# Altium PCB ST-Link-V2.2-Mini.PcbDoc
Units mil, origin at the board's own origin, x right, y up, seen from the top; angles counter-clockwise.
Board outline 1181.1 x 590.55 mil, 2 copper layers (Top Layer, Bottom Layer); 42 components, 43 nets, 146 pads, 35 vias.
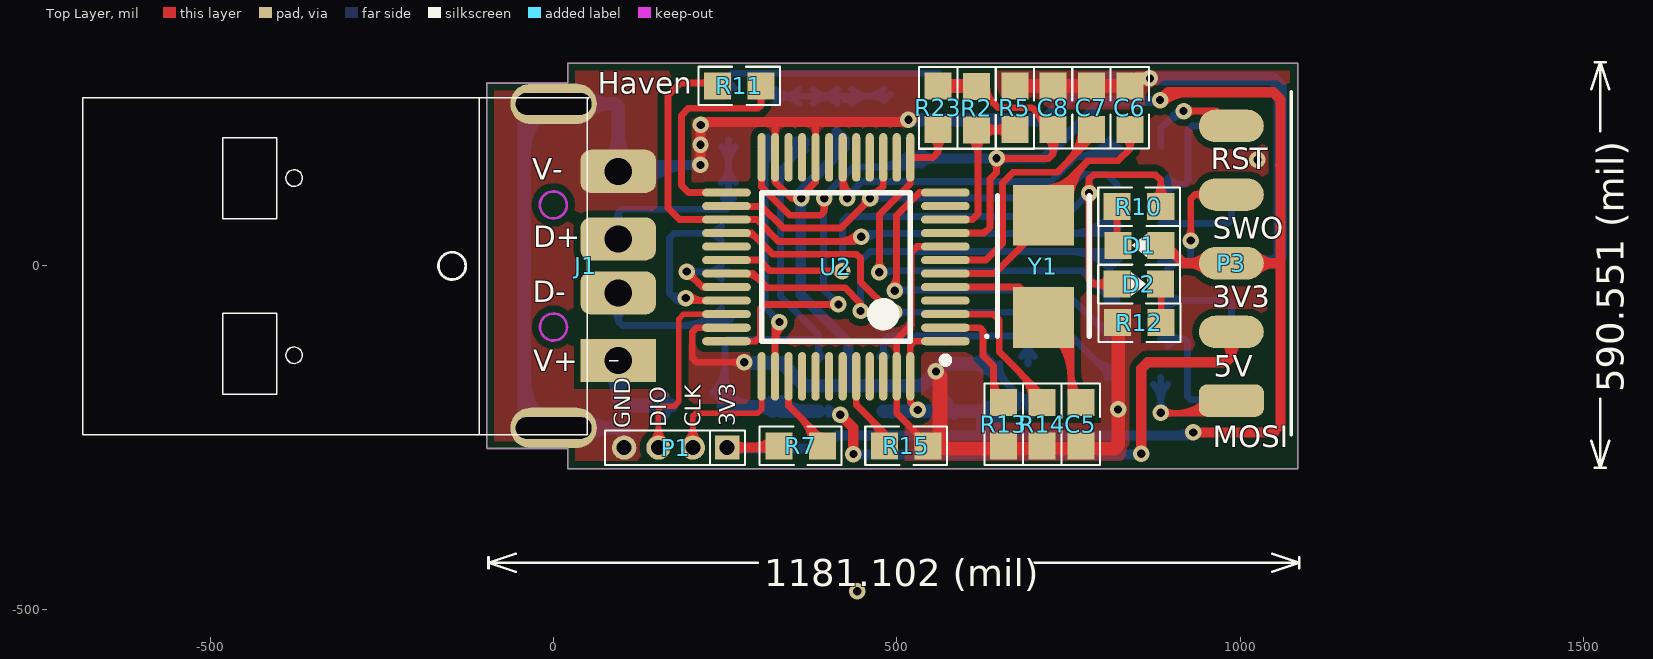
[diagram p0: Top Layer view]
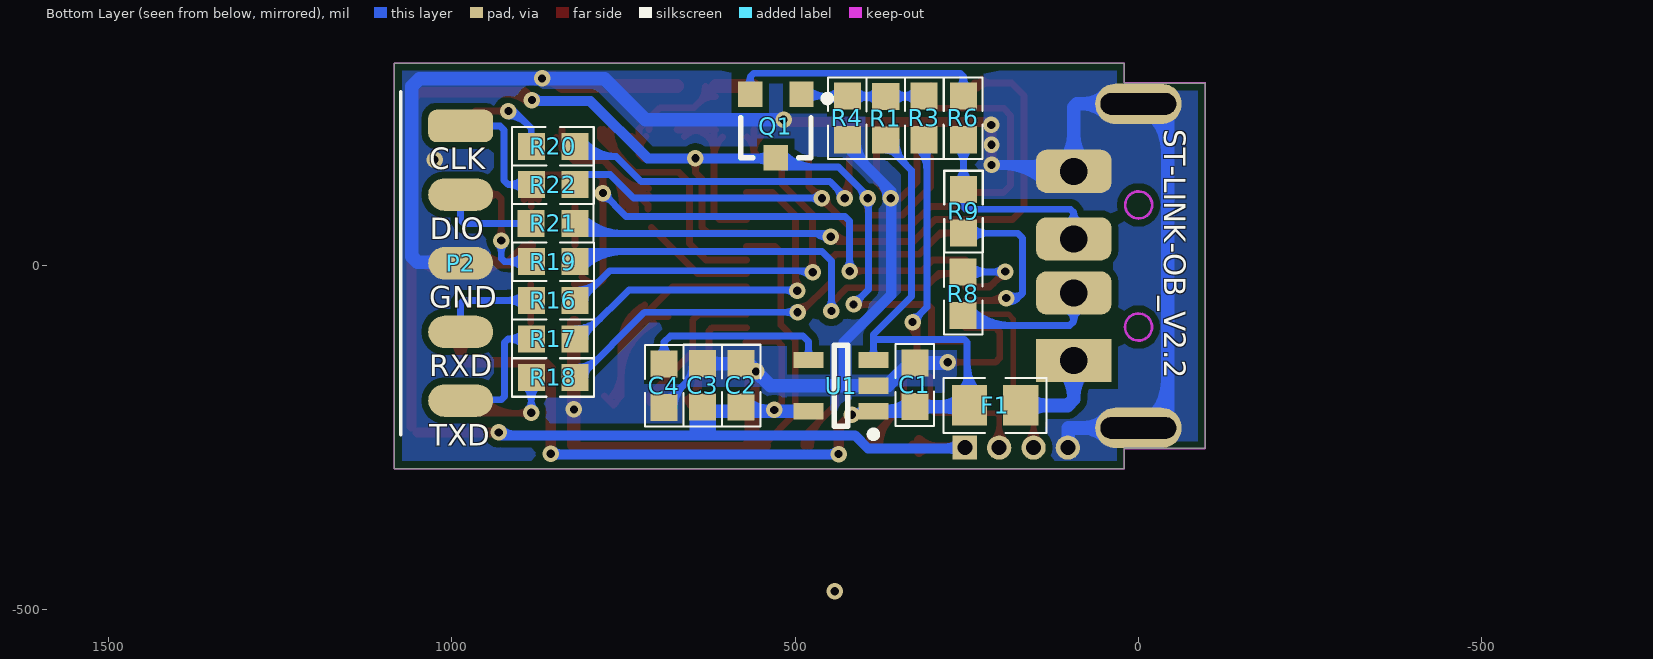
[diagram p1: Bottom Layer view, seen from below]

## Layer stack, top to bottom
Top Layer: signal copper 1.4
Dielectric: dielectric 12.6, FR-4, Dk 4.8
Bottom Layer: signal copper 1.4

## Board outline
-97.53,-246.18 -97.53,265.75 20.59,265.75 20.59,295.28 1083.58,295.28 1083.58,-295.27 20.59,-295.27 20.59,-265.75 -97.53,-265.75

## Design rules (kind name [scope] priority, off if disabled: settings)
Clearance Clearance_GND [InPolygon] p1: gap=10
Clearance [All] p2: gap=7
HoleToHoleClearance [All] p1 off: gap=10 allowstackedmicrovias=TRUE
MinimumSolderMaskSliver [All] p1 off: minsoldermaskwidth=10
PlaneConnect [All] p1: planeconnectstyle=Direct reliefexpansion=20 reliefentries=4 reliefconductorwidth=10 reliefairgap=10
PolygonConnect [All] p1: connectstyle=Direct reliefconductorwidth=10 reliefentries=4 polygonreliefangle="90 Angle"
RoutingVias [All] p1: holewidth=12 width=24 viastyle="Through Hole" minholewidth=12 minwidth=24 maxholewidth=12 maxwidth=24
SilkToSilkClearance [All] p1 off: silktosilkclearance=10
SilkscreenOverComponentPads [IsPad] p1 off: minsilkscreentomaskgap=10
SolderMaskExpansion [All] p1: expansion=4
Width [All] p1: maxlimit=20 minlimit=8 preferedwidth=8
23 further rules are at their usual default settings.

## Components (designator, comment, footprint, x,y, rotation, side; value= is the part's Value field where it differs from the comment)
C1 "Cap" C-0603 325.61,-173.55 r270 bottom
C2 "Cap" C-0603 578.55,-174.35 r270 bottom
C3 "Cap" C-0603 634.77,-174.35 r270 bottom
C4 "Cap" C-0603 690.87,-174.41 r90 bottom
C5 "Cap" C-0603 768.06,-230.62 r90 top
C6 "Cap" C-0603 839.44,230.22 r270 top
C7 "Cap" C-0603 783.43,230.23 r270 top
C8 "Cap" C-0603 727.57,230.23 r270 top
D1 "LED_G" SMT_LED_0603 853.36,29.86 r180 top
D2 "LED_R" SMT_LED_0603 852.3,-26.54 r0 top
F1 "Fuse1" 0805-1 208.86,-203.24 r0 bottom
J1 "USB" USB-B 47.13,-0.02 r90 top
P1 "SWD" SIP4-1.27 252.8,-264.59 r0 top
P2 "P-BOTTOM" HEADER_5 987.19,203.82 r270 bottom
P3 "P-TOP" HEADER_5 987.21,-196.11 r90 top locked
Q1 "NPN" SOT23-3 528.04,203.73 r0 bottom
R1 "Res1" 0603-1 367.99,214.72 r90 bottom
R2 "Res2" 0603-1 616.03,229.63 r90 top
R3 "Res1" 0603-1 312,215.72 r270 bottom
R4 "Res1" 0603-1 424,215.72 r270 bottom
R5 "Res2" 0603-1 671.9,230.63 r270 top
R6 "Res1" 0603-1 254.99,215.72 r270 bottom
R7 "Res2" 0603-1 360.08,-262.07 r180 top
R8 "Res2" 0603-1 255.26,-40.78 r90 bottom
R9 "Res2" 0603-1 254.77,79.58 r270 bottom
R10 "Res2" 0603-1 852.34,86.28 r0 top
R11 "Res2" 0603-1 269.95,262.05 r0 top
R12 "Res2" 0603-1 852.83,-82.7 r0 top
R13 "Res1" 0603-1 655.52,-230.15 r270 top
R14 "Res1" 0603-1 711.6,-230.15 r270 top
R15 "Res2" 0603-1 513.94,-262.07 r180 top
R16 "Res2" 0603-1 852.22,-50.22 r0 bottom
R17 "Res2" 0603-1 852.22,-106.38 r0 bottom
R18 "Res2" 0603-1 852.22,-162.53 r0 bottom
R19 "Res2" 0603-1 852.03,6.07 r0 bottom
R20 "Res2" 0603-1 852.26,174.24 r0 bottom
R21 "Res2" 0603-1 852.37,61.85 r0 bottom
R22 "Res2" 0603-1 852.26,118.38 r0 bottom
R23 "Res1" 0603-1 560.16,230.63 r270 top
U1 "SPX3819" SOT23-5 433.15,-174.42 r0 bottom
U2 "STM32F103CBT6" LQFP48_N 411.26,-1.44 r180 top locked
Y1 "8M" "XAL5032 2-Leads" 713.56,-0.33 r90 top

## Footprints (in the part's own frame and the unit in brackets; to place one, negate y for a bottom-side part, rotate by r counter-clockwise, add the part's x,y. Pads: shape width x height; smd on the part's side, far side on the other; paste and mask are expansions set on the pad)
0603-1 [mm]
  rect 1x1 smd: 1(-0.799,0) 2(0.813,0)
  silkscreen extent -1.5,-0.71 1.52,0.71, body extent -0.8,-0.4 0.8,0.4, height 0.3
0805-1 [mm]
  rect 1.3x1.5 smd: 1(-0.95,0) 2(0.95,0)
  silkscreen extent -1.91,-1.02 1.91,1.02, body extent -1,-0.62 1,0.63, height 0.5
C-0603 [mm] "贴?"
  rect 1x1 smd: 1(-0.813,0) 2(0.799,0)
  silkscreen extent -1.51,-0.71 1.51,0.71, body extent -0.8,-0.4 0.8,0.4, height 0.3
HEADER_5 [mm]
  rrect50% 1.2x2.4 smd: 1(0,0)
  oval 1.2x2.4 smd: 2(2.54,0) 3(5.08,0) 4(7.62,0) 5(10.16,0)
  silkscreen extent -1.27,-2.21 11.43,-2.21, body extent -1.27,-10.75 11.43,0.79, height 1.78
LQFP48_N [mm] "Thin QFP, 48-Leads, Body 7x7mm, Pitch 0.5mm, IPC Medium Density"
  oval 1.8x0.3 smd: 1(-4.05,2.75) 2(-4.05,2.25) 3(-4.05,1.75) 4(-4.05,1.25) 5(-4.05,0.75) 6(-4.05,0.25) 7(-4.05,-0.25) 8(-4.05,-0.75) 9(-4.05,-1.25) 10(-4.05,-1.75) 11(-4.05,-2.25) 12(-4.05,-2.75) 25(4.05,-2.75) 26(4.05,-2.25) 27(4.05,-1.75) 28(4.05,-1.25) 29(4.05,-0.75) 30(4.05,-0.25) 31(4.05,0.25) 32(4.05,0.75) 33(4.05,1.25) 34(4.05,1.75) 35(4.05,2.25) 36(4.05,2.75)
  oval 0.3x1.8 smd: 13(-2.75,-4.05) 14(-2.25,-4.05) 15(-1.75,-4.05) 16(-1.25,-4.05) 17(-0.75,-4.05) 18(-0.25,-4.05) 19(0.25,-4.05) 20(0.75,-4.05) 21(1.25,-4.05) 22(1.75,-4.05) 23(2.25,-4.05) 24(2.75,-4.05) 37(2.75,4.05) 38(2.25,4.05) 39(1.75,4.05) 40(1.25,4.05) 41(0.75,4.05) 42(0.25,4.05) 43(-0.25,4.05) 44(-0.75,4.05) 45(-1.25,4.05) 46(-1.75,4.05) 47(-2.25,4.05) 48(-2.75,4.05)
  silkscreen extent -4.18,-2.75 2.75,3.57, body extent -4.53,-4.47 4.47,4.53, height 1.45
SIP4-1.27 [mm]
  rect 0.9x0.9 hole 0.55: 1(0,0)
  round 0.9 hole 0.55: 2(-1.27,0) 3(-2.54,0) 4(-3.81,0)
  silkscreen extent -4.52,-0.64 0.66,0.64
SMT_LED_0603 [mm]
  rect 1x1 smd: 1(-0.8,0) 2(0.8,0)
  silkscreen extent -1.5,-0.71 1.52,0.71, body extent -0.81,-0.4 0.81,0.4, height 0.6
SOT23-3 [mm]
  rect 0.9x0.95 smd: 1(-0.95,-1.175) 2(0.95,-1.175) 3(0,1.175)
  silkscreen extent -2.03,-1.14 1.3,1.18, body extent -1.45,-1.4 1.45,1.4, height 1.2
SOT23-5 [mm] "Max4173"
  rect 1.1x0.6 smd: 1(-1.2,0.95) 2(-1.2,0) 3(-1.2,-0.95) 4(1.2,-0.95) 5(1.2,0.95)
  silkscreen extent -1.32,-1.5 0.25,1.92, body extent -1.4,-1.45 1.4,1.45, height 1.2
USB-B [mm]
  rect 1.6x2.8 hole 1: 1(-3.5,-1.195)
  rrect50% 1.6x2.8 hole 1: 2(-1,-1.195) 3(1,-1.195) 4(3.5,-1.195)
  oval 1.5x3.2 hole 0.8 slot 2.8 at 90 deg: 5(5.994,1.195) 6(-5.994,1.195)
  silkscreen extent -6.25,-1.2 6.25,18.62, body extent -6.25,-1.43 6.25,18.6, height 4.52
"XAL5032 2-Leads" [mm] "DFN, 2-Leads, Body 3.20x5.00mm, Pitch 3.70mm, IPC Low Density"
  rect 2.25x2.25 smd: 1(-1.905,0) 2(1.88,0)
  silkscreen extent -2.65,-1.7 2.6,2.15, body extent -2.5,-1.6 2.5,1.6, height 1

## Part data
C1 C2 C3 C4 C8: "Capacitor"
D1 D2: library part LED2, "Typical RED, GREEN, YELLOW, AMBER GaAs LED"
F1: "保险"
J1: "USB½Ó¿"
P1: library part "Header 4", "Header, 4-Pin"
P2 P3: library part "Header 5", "Header, 5-Pin"
Q1: library part NPN1, "贴片三"
R1 R3 R4 R6 R13 R14: "ÌùÆ¬µ"
R2 R5 R7 R8 R9 R10 R11 R12 R15 R16 R17 R18 R19 R20 R21 R22: "Resistor"
R23: "贴片电阻"
U2: library part STM32F103C8T6, "STM32 ARM-based 32-bit MCU with 64 Kbytes Flash, 48-pin LQFP, Industrial Temperature"
Y1: library part XTAL, "Crystal Oscillator"

## Via types
v1: diameter 24, hole 12, Top Layer to Bottom Layer, 33 vias
v2: diameter 24.02, hole 12.01, Top Layer to Bottom Layer, 2 vias

## Nets (pads, with @x,y where several pads share a name; then routed paths per layer and width w, separated by ;. In a path a pad name is that pad's centre, name@x,y a point inside that pad or via, vN(x,y) a via of type N, cw(c..) or ccw(c..) an arc to the next point about the centre after c; other vN are vias at no path point)
3.3V: C2.2 C3.2 C8.2 D1.1 P1.1 P3.3 Q1.3 R2.2 R7.2 R23.1 U1.5 U2.1 U2.9 U2.24 U2.36 U2.48 | length 4830.2
  Top Layer w10: U2.36@252.06,-109.95 U2.36 294.12,-109.71 301.24,-102.59 301.24,-61.68 306.85,-56.08 v1(414.8,-56.08) ; U2.24 303,114.97 344.28,73.68 388.48,73.68 394.13,79.33 v1(394.13,98.68) ; v1@389.18,93.73 cw(c377.23,81.78) 394.13,81.78 cw(c411.03,81.78) v1@399.08,93.73 ; v1@409.85,-61.03 ccw(c397.9,-72.98) 397.9,-56.08 ccw(c397.9,-39.18) v1@409.85,-51.13 ; v1(530.54,-209.8) 519.53,-198.8 519.53,-115.8 525.62,-109.71 U2.1 U2.1@571.72,-110.72 ; R23.1 R23.1@560.63,261.63 ; U2.9 626.94,47.77 635.42,56.26 635.42,126.47 645.18,136.23 v1(645.18,156.78) 645.67,156.28 720.75,156.28 727.56,163.1 C8.2 727.56,199.31 696.46,230.41 647.24,230.41 R2.2 ; R2.2@616.03,246.94 cw(c616.03,211.49) 641.09,236.56 cw(c666.17,261.63) R2.2@630.71,261.63 ; v1@640.23,151.83 cw(c628.28,139.88) 645.18,139.88 cw(c662.08,139.88) v1@650.13,151.83 ; 702.11,224.76 cw(c676.12,198.77) C8.2@712.88,198.77 ; 703.42,223.45 ccw(c727.56,247.6) C8.2@727.56,213.45 ; C8.2@717.18,188.38 cw(c692.11,163.31) 727.56,163.31 cw(c763.02,163.31) C8.2@737.95,188.38 ; v1@930.45,-241.56 930.66,-241.56 v1(931.69,-242.59) ; v1@650.13,151.83 cw(c660.89,141.07) 660.89,156.28 ccw(c660.89,141.07) v1@650.13,151.83 ; v1@650.13,161.72 ccw(c663.27,174.86) 663.27,156.28 cw(c663.27,174.86) v1@650.13,161.72
  Top Layer w15: P1.1 325.57,-264.59 R7.2 ; P1.1@260.02,-271.81 cw(c277.46,-289.25) 277.46,-264.59 cw(c277.46,-239.92) P1.1@260.02,-257.36 ; 292.59,-264.59 ccw(c292.59,-226.59) R7.2@319.46,-253.46 ; 304.73,-264.59 cw(c304.73,-285.42) R7.2@319.46,-270.69 ; v1(883.35,241.47) 894.75,252.87 1048.27,252.87 1058.64,242.5 1058.64,146.61 ; D1.1@884.63,29.84 888,26.46 894.93,26.46 917.5,3.89 P3.3 ; v1@886.53,238.29 cw(c921.73,203.1) 921.73,252.87 ; v1(931.69,-242.59) 1049.98,-242.59 ; P3.3@952.19,-7.51 ccw(c924.67,-35.03) 924.67,3.89 ccw(c924.67,42.82) P3.3@952.19,15.29 ; P3.3@980.2,-3.12 P3.3 ; P3.3@1022.24,-7.51 cw(c1049.76,-35.03) 1049.76,3.89 cw(c1049.76,42.82) P3.3@1022.24,15.29 ; 1058.47,146.78 1058.64,146.61 ; 1058.64,-233.93 1058.64,0.95 ; P3.3 1055.7,3.89 1058.64,0.95 ; 1058.64,0.95 1058.64,146.61
  Top Layer w20: R23.1 615.56,262.1 R2.2
  Bottom Layer w10: v1@389.18,93.73 cw(c379.54,84.1) 393.17,84.1 ; 393.17,79.46 cw(c413.34,79.46) v1@399.08,93.73 ; v1@394.13,105.68 ccw(c394.13,116.2) 401.57,108.76 ; v1@401.13,98.68 cw(c424.4,98.68) 407.94,115.14 ; v1@407.8,-56.08 ccw(c390.9,-56.08) 402.85,-44.13 ccw(c414.8,-32.18) v1@414.8,-49.08 ; v1(414.8,-56.08) 393.17,-34.44 393.17,92.75 394.13,93.71 v1(394.13,98.68) 394.13,101.32 436.72,143.92 514.49,143.92 Q1.3 ; 467,143.92 ccw(c467,217.52) Q1.3@519.05,165.48 ; 491.15,143.92 ccw(c491.15,193.38) Q1.3@526.12,158.41 ; Q1.3@515.29,143.92 ccw(c515.29,169.24) Q1.3@533.19,151.33 ; v1@524.75,-215.59 v1(530.54,-209.8) v1@529.18,-211.16
  Bottom Layer w15: P1.1@255.73,-268.74 258.57,-265.9 393.82,-265.9 412.82,-246.9 622.71,-246.9 ; P1.1@260.02,-271.81 cw(c274.3,-286.09) 274.3,-265.9 ; P1.1@260.02,-257.36 ccw(c280.63,-236.76) 280.63,-265.9 ; U1.5 481.06,-211.16 v1@529.18,-211.16 ; U1.5@493.29,-214.88 cw(c502.25,-223.84) 502.25,-211.16 ; Q1.3 529.02,156.5 714.76,156.5 798.35,240.08 881.95,240.08 v1(883.35,241.47) ; Q1.3@535.27,149.26 cw(c552.74,131.79) 552.74,156.5 ; Q1.3@535.27,163.71 ccw(c552.68,181.12) 552.68,156.5 ; C2.2@568.77,-215.59 572.54,-211.83 C2.2@573.2,-211.16 ; C2.2 C2.2@573.2,-211.16 ; C2.2@583.82,-217.22 578.43,-211.83 577.77,-211.16 C2.2@573.2,-211.16 ; C3.2@622.71,-222.14 cw(c644.57,-222.14) C3.2@633.33,-203.4 ; C3.2@636.24,-203.41 cw(c624.99,-221.89) C3.2@646.62,-221.89 ; C3.2@639.82,-217.22 630.08,-217.22 C3.2@623.37,-217.22 ; 869.12,240.08 ccw(c869.12,255.71) v1@880.17,244.66 ; 910.44,-246.9 ccw(c910.44,-221.34) v1@928.51,-239.41 ; v1@929.09,-244.68 926.87,-246.9 646.62,-246.9 ; 622.71,-246.9 646.62,-246.9 ; 622.71,-246.9 622.71,-217.88 C3.2@623.37,-217.22 ; C3.2@623.37,-217.22 628.76,-211.83 C3.2 646.62,-217.66 646.62,-246.9
  Bottom Layer w20: U1.5 572.54,-211.83 578.43,-211.83 C3.2@628.76,-211.83 ; v1@540.65,-211.83 ccw(c540.65,-167.92) C2.2@571.7,-198.97 ; C3.2@627.92,-212.66 cw(c611.39,-229.2) 634.77,-229.2 cw(c658.15,-229.2) C3.2@641.62,-212.66 ; C3.2 634.77,-238.65 635.06,-238.93
5V: C1.2 F1.2 P3.2 R1.1 U1.1 U1.3 | length 2004.8
  Top Layer w15: v1(417.44,-216.67) 436.67,-235.9 v1(436.67,-274.1) ; v1(855.8,-273.61) 856.06,-273.35 856.06,-149.9 865.44,-140.51 978.8,-140.51 987.21,-132.11 ; P3.2@976.48,-108.13 cw(c955.09,-132.1) 987.21,-132.1 ; P3.2 987.21,-132.11 ; P3.2@997.95,-108.13 ccw(c1019.34,-132.1) 987.21,-132.1
  Bottom Layer w10: F1.2@231.7,-184.74 ccw(c188.5,-141.54) 249.6,-141.54 ; F1.2@238.77,-191.81 ccw(c212.64,-165.68) 249.6,-165.68 ; 249.6,-157.64 ccw(c287.92,-157.64) F1.2@260.82,-184.74 ; F1.2@255.81,-210.02 249.6,-203.81 249.6,-111.16 253.4,-107.36 385.91,-107.36 ; 338.25,146.91 ccw(c301.9,183.26) R1.1@353.3,183.26 ; 354.2,162.86 cw(c367.99,149.07) R1.1@367.99,168.57 ; R1.1@355.32,163.98 ccw(c336.04,183.26) R1.1@363.3,183.26 ; R1.1 367.99,176.65 330.6,139.26 330.6,-44.71 385.91,-100.02 385.91,-107.36 ; U1.3@381.09,-132.21 ccw(c369.47,-120.58) 385.91,-120.58 ccw(c402.35,-120.58) U1.3@390.73,-132.21 ; U1.1 412.6,-211.83 v1(417.44,-216.67) ; U1.3 385.91,-107.36 ; U1.1@400.57,-216.64 cw(c412.2,-228.27) 412.2,-211.83 cw(c412.2,-195.38) U1.1@400.57,-207.01
  Bottom Layer w15: v1@438.56,-274.66 v1@855.8,-274.66 ; v1@439.85,-270.92 ccw(c448.88,-261.89) 448.88,-274.66 ; 842.4,-274.66 ccw(c842.4,-260.21) v1@852.62,-270.43
  Bottom Layer w20: F1.2@247.02,-203.15 F1.2@260.22,-205.61 ; F1.2@255.81,-210.02 F1.2@260.22,-205.61 ; F1.2@257.29,-214.26 cw(c279.6,-236.57) 279.6,-205.02 ; F1.2@257.29,-192.21 ccw(c288.2,-161.29) 288.2,-205.02 ; C1.2@318.76,-211.87 ccw(c302.23,-228.4) 302.23,-205.02 ccw(c302.23,-181.64) C1.2@318.76,-198.17 ; C1.2@332.46,-198.17 ccw(c365.43,-165.2) U1.1@365.43,-211.83 ; U1.1 332.42,-211.83 C1.2 260.81,-205.02 F1.2@260.22,-205.61
BOOT0: R15.2 U2.44 | length 188
  Top Layer w10: U2.44 440.79,-202.22 481.94,-243.37 R15.2 ; 460.71,-222.14 cw(c420.78,-262.07) R15.2@477.25,-262.07 ; 477.78,-239.21 cw(c454.92,-262.07) R15.2@487.25,-262.07
GND: C1.1 C2.1 C3.1 C4.1 C5.1 C6.1 C7.1 C8.1 J1.4 J1.5 J1.6 P1.4 P2.3 R4.2 R5.1 R12.1 R13.2 R14.2 R15.1 U1.2 U2.8 U2.20 U2.23 U2.35 U2.47 | length 5894.6
  Top Layer w10: J1.6@-10.27,-236.02 J1.6 ; U2.35 208.25,-90.02 201.97,-96.29 201.97,-133.9 208.43,-140.36 v1(277.61,-140.36) ; v1@272.66,-145.31 ccw(c260.71,-157.26) 260.71,-140.36 ccw(c260.71,-123.46) v1@272.66,-135.41 ; 318.83,209.59 322.68,205.73 322.68,122.23 346.24,98.68 ; v1@355.18,94.34 ccw(c346.24,87.3) 346.24,98.68 ; v1@355.18,103.01 cw(c346.24,110.06) 346.24,98.68 ; v1@360.67,105.68 ccw(c360.67,117.36) 368.93,109.1 ; v1@367.67,98.68 cw(c389.79,98.68) 374.15,114.32 ; 381.04,209.59 381.74,208.89 381.74,121.9 360.67,100.84 v1(360.67,98.68) 346.24,98.68 ; v1(556.85,-153.61) 556.85,-250.63 R15.1 545.4,-260.7 499.85,-215.14 499.85,-107.16 520.9,-86.11 520.9,19.49 529.5,28.09 U2.8
  Top Layer w15: v1(213.81,147.04) 213.97,147.2 v1(213.97,176.59) v1@213.97,205.66 ; v1(214.29,205.35) v1@213.97,205.66 ; v1(516.88,212.94) 513.53,209.59 381.04,209.59 318.83,209.59 217.89,209.59 v1@213.97,205.67
  Top Layer w20: R15.1 549.82,-266.49 572.61,-266.49 ; v1(556.85,-153.61) 563.47,-160.23 563.47,-257.34 572.61,-266.49 ; R5.1 839.32,262.1 C6.1 ; R12.1@821.67,-82.75 822.37,-83.44 822.37,-260.62 816.5,-266.49 572.61,-266.49 ; v1@868.18,271.05 ccw(c862.15,239.51) C6.1 ; v1(868.56,273.01) 850.24,273.01 C6.1
  Bottom Layer w10: J1.5@40.71,234.46 42.23,235.98 J1.5@51.61,245.36 ; J1.4 J1.4@101.33,144.91 ; U1.2 386.57,-173.76 429.19,-173.76 536.7,-173.76 537.57,-173.76 556.85,-154.48 v1(556.85,-153.61) ; C3.1@634.77,-157.03 cw(c634.77,-183.6) 653.56,-164.82 ; C3.1@639.68,-153.61 C3.1 634.77,-146.03 690.69,-201.95 C4.1@690.69,-206.96 ; C3.1@649.46,-142.35 ccw(c693.8,-142.35) 662.44,-173.7 ; 662.77,-174.02 cw(c630.38,-206.41) C4.1@676.18,-206.41 ; 673.12,-184.38 ccw(c690.87,-166.63) C4.1@690.87,-191.73 ; C4.1@696.21,-217.84 C4.1@696.21,-210.14
  Bottom Layer w15: J1.4@101.33,144.91 103.46,147.04 v1(213.81,147.04) ; J1.4@124.18,131.41 cw(c161.9,93.69) 161.9,147.04 ; J1.4@134.78,120.81 cw(c198.11,57.48) 198.11,147.04 ; J1.4@134.78,154.74 ccw(c153.38,173.34) 153.38,147.04 ; 359.89,85.92 cw(c373.43,85.92) v1@363.85,95.5 ; v1(360.67,98.68) v1@360.67,109.32 ; v1@365.17,98.68 cw(c401.73,98.68) 375.88,124.53 ; 395.37,144.02 ccw(c355.66,183.72) R4.2@411.81,183.72 ; R4.2@411.93,195.79 R4.2 424,172.65 v1@360.67,109.32 ; 429.19,-173.76 429.19,-111.18 359.89,-41.88 359.89,108.54 v1@360.67,109.32
  Bottom Layer w20: -42.59,-166.67 ccw(c35.96,-166.67) J1.6@-19.58,-222.21 ; -42.59,166.63 cw(c35.96,166.63) J1.5@-19.58,222.17 ; J1.6@47.35,-249.83 cw(c80.68,-283.16) 80.68,-236.02 cw(c80.68,-188.88) J1.6@47.35,-222.21 ; J1.5@47.35,222.17 cw(c80.68,188.84) 80.68,235.98 cw(c80.68,283.12) J1.5@47.35,249.79 ; J1.4@78.99,152.98 ccw(c42.3,189.67) 94.19,189.67 ccw(c146.09,189.67) J1.4@109.39,152.98 ; J1.4 94.19,231.2 89.41,235.98 42.23,235.98 J1.5 -37.25,235.98 -42.59,230.64 -42.59,-221.32 -27.89,-236.02 J1.6 102.27,-236.02 102.27,-265.92 P1.4@99.8,-268.4 ; v1(277.61,-140.36) 278.81,-141.55 C1.1 332.38,-141.55 365.25,-174.42 U1.2 536.04,-174.42 536.7,-173.76 v1(556.85,-153.61) 568.11,-142.35 C2.1 C3.1 ; v1(516.88,212.94) 718.08,212.94 777.75,272.62 1047.25,272.62 1058.22,261.65 1058.22,13.64 1049.95,5.37 988.73,5.37 P2.3 ; C3.1@627.92,-149.2 ccw(c611.39,-165.73) 611.39,-142.35 ccw(c611.39,-118.97) C3.1@627.92,-135.5
  other v1: 822.1,-209.1
  other v2: 1025.08,154.48
NetC4_2: C4.2 U1.4 | length 349.9
  Bottom Layer w10: U1.4@475.58,-132.21 ccw(c463.96,-120.58) 480.4,-120.58 ccw(c496.84,-120.58) U1.4@485.22,-132.21 ; U1.4 480.4,-109.86 488.39,-101.86 681.8,-101.86 690.87,-110.93 ; C4.2@681.29,-131.82 ccw(c663.31,-110.93) 690.87,-110.93 ; C4.2 690.87,-110.93 ; C4.2@700.45,-131.82 cw(c718.42,-110.93) 690.87,-110.93
NetC5_2: C5.2 U2.5 Y1.1 | length 747.2
  Top Layer w10: U2.5 678.62,-30.97 714.04,-66.38 753.39,-105.73 C5.2@753.39,-189.45 ; Y1.1@684.96,-73.52 Y1.1@709.22,-73.52 ; Y1.1@705.17,-83.52 cw(c664.21,-162.73) 753.39,-162.73 ; Y1.1@709.77,-74.63 cw(c672.71,-146.3) 753.39,-146.3 ; Y1.1@714.36,-65.75 cw(c681.2,-129.87) 753.39,-129.87 ; Y1.1@718.95,-56.87 cw(c689.7,-113.44) Y1.1@753.39,-113.44 ; 753.39,-176.55 ccw(c790.67,-176.55) C5.2@764.31,-202.91 ; 753.39,-152.41 ccw(c814.81,-152.41) C5.2@771.38,-195.84 ; C5.2 C5.2@777.76,-189.45
NetC6_2: C6.2 U2.6 Y1.2 | length 674.5
  Top Layer w10: U2.6 642.09,-11.28 Y1.2@709.22,55.85 ; Y1.2@713.56,102.96 ccw(c713.56,137.76) Y1.2@738.17,113.15 ; Y1.2@713.56,112.96 ccw(c713.56,171.9) 755.24,130.22 ; Y1.2@714.04,82.62 714.04,89.02 778.25,153.23 ; Y1.2@732.7,76.04 cw(c790.38,83.18) 749.28,124.27 ; Y1.2@742.63,77.27 cw(c816.14,86.37) 763.76,138.75 ; Y1.2@752.55,78.5 cw(c841.91,89.56) 778.24,153.23 ; C6.2@830.92,186.79 cw(c819.12,170.25) 839.44,170.25 ; C6.2 839.44,170.25 ; C6.2@847.97,186.79 ccw(c859.76,170.25) 839.44,170.25 ; 778.25,153.23 822.43,153.23 839.44,170.25
NetC7_2: C7.2 U2.7 | length 433.1
  Top Layer w10: U2.7 629.72,8.4 653.93,32.61 653.93,120.94 669.33,136.35 733.13,136.35 783.43,186.65 C7.2 ; 749.8,153.01 ccw(c704.05,198.77) C7.2@768.75,198.77 ; 766.87,170.09 ccw(c738.19,198.77) C7.2@778.75,198.77
NetD1_2: D1.2 R10.1 | length 56.8
  Top Layer w8: D1.2@820.87,30.85 D1.2
  Top Layer w10: D1.2@820.87,30.85 R10.1
NetD2_2: D2.2 R12.2 | length 56.5
  Top Layer w8: D2.2@884.63,-26.45 D2.2@885.14,-26.96
  Top Layer w10: R12.2@885.14,-82.75 D2.2@885.14,-26.96
NetQ1_1: Q1.1 R1.2 R3.1 R4.1 | length 573
  Bottom Layer w10: R3.1 R4.1 ; R3.1@322.38,236.8 cw(c347.45,211.73) 347.45,247.19 cw(c347.45,282.64) R3.1@322.38,257.57 ; R3.1@331.41,247.19 cw(c331.41,210.15) R1.2@357.61,236.34 ; 333.66,247.19 ccw(c333.66,281.05) R1.2@357.61,257.1 ; R1.2@378.37,236.34 cw(c404.56,210.15) R4.1@404.56,247.19 ; R1.2@378.37,257.1 ccw(c402.32,281.05) 402.32,247.19 ; 394.46,244.48 cw(c398.82,228.21) R4.1@412.27,238.35 ; 400.18,246.01 ccw(c395.45,263.67) R4.1@411.28,254.53 ; R4.1@413.61,236.8 ccw(c388.54,211.73) 388.54,247.19 ccw(c388.55,282.63) R4.1@413.61,257.57 ; R4.1@423.78,242.46 436.17,242.46 436.06,242.35 R4.1 ; R4.1@434.38,236.8 cw(c459.45,211.73) 459.45,247.18 cw(c459.45,282.64) R4.1@434.38,257.57 ; 455.55,247.18 ccw(c455.55,284.1) Q1.1@481.65,258 ; 464.34,247.18 cw(c464.34,222.7) Q1.1@481.65,240.01 ; Q1.1@483.11,242.46 Q1.1@487.84,247.18 ; Q1.1 Q1.1@487.84,247.18 ; R4.1 Q1.1@487.84,247.18
NetQ1_2: Q1.2 R6.1 | length 440.7
  Bottom Layer w10: R6.1@246.34,259.05 ccw(c233.91,276.08) 254.99,276.08 ; R6.1 254.99,276.08 ; R6.1@263.65,259.05 cw(c276.07,276.08) 254.99,276.08 ; Q1.2@558.22,261.44 ccw(c548.73,275.2) 565.45,275.2 ; Q1.2 565.45,275.2 ; Q1.2@572.67,261.44 cw(c582.16,275.2) 565.45,275.2 ; 254.99,276.08 259.6,280.69 559.96,280.69 565.45,275.2
NetR2_1: R2.1 R5.2 U2.10 | length 397.7
  Top Layer w10: U2.10 610.1,67.46 618.42,75.78 618.42,195.77 R2.1 671.43,198.16 R5.2 ; R2.1@605.64,187.78 cw(c574.81,156.94) 618.42,156.94 ; 618.42,168.48 cw(c645.71,168.48) 626.41,187.78 cw(c651.48,162.71) 651.48,198.16 cw(c651.48,233.62) R2.1@626.41,208.55 ; R2.1@635.31,198.16 ccw(c635.31,235.22) R5.2@661.51,209.02 ; 637.58,198.16 cw(c637.58,164.31) R5.2@661.51,188.25
NetR7_1: R7.1 U2.39 | length 203.9
  Top Layer w10: U2.39 342.37,-203.51 391.54,-252.68 R7.1 ; 359.84,-220.98 cw(c318.74,-262.07) R7.1@376.86,-262.07 ; 376.91,-238.05 cw(c352.88,-262.07) R7.1@386.86,-262.07 ; R7.1@382.5,-243.64 ccw(c391.54,-234.6) R7.1@391.54,-247.39
NetR8_2: R8.2 U2.32 | length 292.1
  Top Layer w10: v1@193.88,-8.28 v1(194.05,-8.28) 204.38,-18.58 ; v1@194.05,-15.28 cw(c194.05,-31.96) 205.85,-20.16 ; v1@194.74,-15.24 cw(c195.91,-27.17) 204.38,-18.7 ; v1@194.83,-15.23 cw(c196.12,-26.84) 204.38,-18.58 ; v1@201.01,-9.06 ccw(c212.71,-10.37) 204.38,-18.7 ; v1@201.01,-9.02 ccw(c212.68,-10.28) 204.38,-18.58 ; v1@201.05,-8.28 ccw(c218.17,-8.28) 206.06,-20.38 ; 211.12,-25.43 ccw(c222.29,-14.27) U2.32@222.29,-30.06 ; U2.32 216.65,-30.97 204.38,-18.7 ; 204.38,-18.7 204.38,-18.58
  Bottom Layer w10: v1(194.05,-8.28) 194.56,-8.78 R8.2 ; v1@199,-13.23 cw(c209.73,-23.95) 209.73,-8.78 ; v1@199,-3.33 ccw(c212.17,9.85) 212.17,-8.78 ; R8.2@244.88,-19.17 ccw(c219.81,-44.23) 219.81,-8.78 ccw(c219.81,26.67) R8.2@244.88,1.6
NetR9_2: R9.2 U2.33 | length 399.8
  Top Layer w10: v1@193.13,-50.51 193.27,-50.65 U2.33 ; v1@197.58,-41.83 ccw(c218.86,-20.55) U2.33@218.86,-50.65
  Bottom Layer w10: 177.11,-48.01 ccw(c186.44,-38.68) v1@194.45,-49.17 ; v1@187.65,-51.7 ccw(c175.89,-63.3) 175.89,-46.78 ; v1@187.65,-41.87 cw(c175.89,-30.27) 175.89,-46.78 ; v1@188.38,-41.22 cw(c179.44,-29.51) 169.03,-39.92 ; v1(192.63,-46.78) 175.89,-46.78 ; R9.2@244.38,37.2 ccw(c219.32,12.13) 219.32,47.58 ccw(c219.32,83.04) R9.2@244.38,57.97 ; R9.2 176.31,47.58 169.03,40.31 169.03,-39.92 ; 169.03,-39.92 175.89,-46.78
NetR13_1: R13.1 U2.2 | length 235.9
  Top Layer w10: U2.2 620.71,-90.02 625.6,-94.91 625.6,-130.5 640.75,-145.66 640.75,-183.93 R13.1 ; R13.1@640.75,-181.68 ccw(c666.11,-181.68) R13.1@652.71,-203.2 ; 640.75,-163.67 ccw(c677.33,-163.67) R13.1@657.99,-194.71
NetR14_1: R14.1 U2.3 | length 305.1
  Top Layer w10: U2.3 640.35,-70.34 649.12,-79.11 649.12,-125.42 711.6,-187.9 R14.1 ; 678.91,-155.21 cw(c635.43,-198.69) R14.1@696.92,-198.69 ; 695.98,-172.28 cw(c669.57,-198.69) R14.1@706.92,-198.69
P_MOSI: P3.1 R18.2 | length 398.9
  Top Layer w10: v1(884.27,-213.91) 884.93,-214.57 968.75,-214.57 P3.1 ; v1@889.22,-218.86 cw(c899.58,-229.22) 899.58,-214.57 ; v1@889.22,-208.96 ccw(c902.76,-195.42) 902.76,-214.57 ; 906.14,-214.57 ccw(c906.14,-148.73) P3.1@956.94,-190.62 ; 927.35,-214.57 ccw(c927.35,-166.22) P3.1@964.65,-196.98 ; P3.1@948.56,-214.57 ccw(c948.56,-183.71) P3.1@972.37,-203.34
  Bottom Layer w10: R18.2@873.84,-172.92 cw(c848.65,-198.1) 884.27,-198.1 ; v1@879.32,-208.96 ccw(c867.37,-197.01) 884.27,-197.01 ccw(c901.17,-197.01) v1@889.22,-208.96 ; R18.2 884.27,-162.58 v1(884.27,-213.91) ; 884.27,-197.87 cw(c919.56,-197.87) R18.2@894.61,-172.92
P_NRST: P3.5 R20.2 | length 231.2
  Top Layer w10: v1(917.56,225.49) 965.61,225.49 P3.5 ; v1@922.51,220.54 cw(c934.46,208.59) 934.46,225.49 cw(c934.46,242.39) v1@922.51,230.44 ; 948.61,222.54 cw(c948.61,192.09) P3.5@972.53,210.94
  Bottom Layer w10: R20.2@884.45,174.43 R20.2 884.26,200.25 909.51,225.49 v1(917.56,225.49) ; 891.87,207.85 cw(c917.56,182.16) v1@917.56,218.49
P_RXD: P2.4 R16.2 | length 202.2
  Bottom Layer w10: R16.2 983.01,-50.22 987.21,-54.43 P2.4@987.21,-96.15 ; R16.2@894.61,-60.61 cw(c919.67,-85.68) 919.67,-50.22 cw(c919.67,-14.77) R16.2@894.61,-39.84
P_SWCLK: P2.1 R22.2 | length 238.7
  Bottom Layer w10: R22.2@888.43,122.56 R22.2 917.85,118.38 ; R22.2@895.04,108.41 cw(c917.85,87.31) 917.85,118.38 ; R22.2@895.04,128.36 ccw(c917.85,149.46) 917.85,118.38 ; P2.1 987.12,203.89 929.58,203.89 923.81,198.12 923.81,124.34 917.85,118.38
P_SWDIO: P2.2 R21.2 | length 141.8
  Bottom Layer w10: R21.2 982,61.85 987.21,67.06 P2.2
P_SWO: P3.4 R19.2 | length 355.2
  Top Layer w10: v1@923.01,41.85 ccw(c911.06,53.8) 927.96,53.8 ccw(c944.86,53.8) v1@932.91,41.85 ; v1(927.96,36.9) 927.96,97.69 934.16,103.89 ; P3.4@946.76,95.92 ccw(c934.16,89.95) 934.16,103.89 ; P3.4@946.76,111.87 cw(c934.16,117.84) 934.16,103.89 ; P3.4 934.16,103.89
  Bottom Layer w10: R19.2@894.42,-4.31 cw(c919.49,-29.38) 919.49,6.07 cw(c919.49,41.53) R19.2@894.42,16.46 ; R19.2@898.46,20.5 R19.2 923.13,6.07 927.95,10.89 v1(927.96,36.9) ; v1@923.01,31.95 cw(c911.08,20.03) 927.95,20.03 ; 927.95,19.98 cw(c944.88,19.98) v1@932.91,31.95
P_TXD: P2.5 R17.2 | length 238.8
  Bottom Layer w10: R17.2 918.38,-106.38 ; R17.2@894.88,-116.48 cw(c918.37,-138.75) 918.37,-106.38 ; R17.2@894.88,-96.28 ccw(c918.37,-74.01) 918.37,-106.38 ; P2.5 986,-194.99 928.39,-194.99 923.43,-190.03 923.43,-111.44 918.38,-106.38
STA_LED: D2.1 R10.2 U2.30 | length 1205.1
  Top Layer w10: U2.30 299.68,8.4 315.2,-7.11 419.96,-7.11 v1(420.55,-7.7) ; 402.23,-7.11 cw(c402.23,-26.02) v1@415.6,-12.65 ; 405.07,-7.11 ccw(c405.07,7.78) v1@415.6,-2.75 ; v1@775,101.08 cw(c763.05,89.13) 779.95,89.13 cw(c796.85,89.13) v1@784.9,101.08 ; v1@775,110.98 ccw(c763.05,122.93) 779.95,122.93 ccw(c796.85,122.93) v1@784.9,110.98 ; D2.1@810.07,-36.56 ccw(c786.79,-58.31) 786.79,-26.45 ; D2.1@810.16,-16.42 cw(c786.79,5.78) 786.79,-26.45 ; D2.1@821.64,-26.45 786.79,-26.45 ; R10.2@873.95,96.67 ccw(c848.88,121.74) 884.34,121.74 ccw(c919.79,121.74) R10.2@894.72,96.67 ; R10.2 884.34,125.07 876.64,132.76 786.04,132.76 779.95,126.67 v1(779.95,106.03) 779.95,-19.61 786.79,-26.45
  Bottom Layer w10: v1@415.6,-2.75 ccw(c403.65,9.2) 420.55,9.2 ccw(c437.45,9.2) v1@425.5,-2.75 ; v1(420.55,-7.7) 420.55,65.4 427.36,72.2 746.12,72.2 v1(779.95,106.03) ; v1@772.95,106.03 cw(c756.05,106.03) 768,94.08 cw(c779.95,82.13) v1@779.95,99.03
SWCLK0: P1.2 U2.37 | length 250.3
  Top Layer w8: P1.2@193.1,-254.89 ccw(c169.69,-231.47) 202.8,-231.47 ccw(c235.91,-231.47) P1.2@212.5,-254.89 ; P1.2 202.8,-218.58 206.42,-214.96 297,-214.96 303,-208.97 U2.37
SWDIO0: P1.3 U2.34 | length 334.3
  Top Layer w8: P1.3@143.1,-254.89 ccw(c119.86,-231.65) 152.73,-231.65 ; 152.73,-231.3 ccw(c186.09,-231.3) P1.3@162.5,-254.89 ; P1.3 152.73,-264.52 152.73,-209.61 157.97,-204.38 175.74,-204.38 182.36,-197.75 182.36,-77.35 189.38,-70.34 U2.34
T_JTCK: R22.1 U2.15 U2.26 | length 768.2
  Top Layer w10: U2.26 252.29,86.67 302.97,86.67 334.55,55.1 418.85,55.1 437.02,73.26 480.16,116.4 U2.15 ; 448.09,84.32 ccw(c433.73,98.68) v1@454.03,98.68 ; 451.49,87.73 cw(c461.03,78.18) v1@461.03,91.68 ; v1@461.03,105.68 ccw(c461.03,125.98) 475.39,111.63 ; v1@468.03,98.68 cw(c481.53,98.68) 471.99,108.22
  Bottom Layer w10: v1(461.03,98.68) 735.09,98.68 769.3,132.88 806.3,132.88 R22.1 ; v1@465.98,93.73 cw(c477.93,81.78) 477.93,98.68 cw(c477.93,115.58) v1@465.98,103.63
T_JTDI: U2.17
T_JTDO: U2.16
T_JTMS: R11.1 R21.1 U2.27 | length 1254.9
  Top Layer w10: 213.44,266.36 ccw(c213.44,287.1) R11.1@228.11,272.44 ; 216.77,266.36 cw(c216.77,240.33) R11.1@235.18,258.74 ; R11.1@238.49,266.36 184.56,266.36 166.6,248.4 166.6,84.36 183.5,67.46 295.97,67.46 327.81,35.62 438.37,35.62 445.24,42.49 v1(448.04,42.49) ; 414.56,35.62 ccw(c414.56,75.97) v1@443.09,47.44
  Bottom Layer w10: v1(448.04,42.49) 452.7,47.15 806.2,47.15 R21.1 ; 749.95,47.15 ccw(c749.95,132.8) R21.1@810.52,72.24 ; 774.09,47.15 ccw(c774.09,108.66) R21.1@817.59,65.16 ; 798.24,47.15 ccw(c798.24,84.52) R21.1@824.66,58.09 ; v1@452.99,37.54 cw(c476.19,14.34) 476.19,47.15 ; v1@452.99,37.54 cw(c476.19,14.34) 476.19,47.15 ; v1@452.99,37.54 cw(c476.19,14.34) 476.19,47.15 ; v1@453.81,46.46 ccw(c460.35,50.95) 464.32,44.08 ; v1@453.81,46.46 ccw(c460.35,50.95) 464.32,44.08 ; v1@453.81,46.46 ccw(c460.35,50.95) 464.32,44.08
T_MOSI: R18.1 U2.28 | length 818.1
  Top Layer w10: U2.28 288.57,47.77 319.41,16.94 441.53,16.94 447.1,11.37 447.1,-23.09 491.45,-67.45 v1(496.49,-67.45) ; U2.28@281.34,46.87 cw(c281.34,27.24) 295.23,41.12 ; 475.94,-51.93 ccw(c496.49,-31.38) v1@496.49,-60.45
  Bottom Layer w10: v1(496.49,-67.45) 719.09,-67.45 814.17,-162.53 R18.1 ; v1@501.44,-72.4 cw(c513.39,-84.35) 513.39,-67.45 cw(c513.39,-50.55) v1@501.44,-62.5 ; 784.45,-132.81 ccw(c820.76,-96.5) R18.1@820.76,-147.85 ; 800.34,-148.7 cw(c786.51,-162.53) R18.1@806.07,-162.53 ; R18.1@801.52,-149.88 ccw(c820.76,-130.65) R18.1@820.76,-157.85
T_NRST: R20.1 U2.18 | length 669.6
  Top Layer w10: U2.18@421.11,131.2 ccw(c460.1,131.2) v1@432.53,103.63 ; U2.18 421.11,105.15 v1(427.58,98.68)
  Bottom Layer w10: v1(427.58,98.68) 427.58,101.21 449.49,123.12 724.19,123.12 760.61,159.54 ; v1@427.58,105.68 ccw(c427.58,116.48) 435.21,108.84 ; v1@434.58,98.68 cw(c457.58,98.68) 441.32,114.94 ; 781.09,159.54 ccw(c781.09,205.21) R20.1@817.1,177.12 ; R20.1@801.57,159.54 ccw(c801.57,189.23) R20.1@824.99,170.97 ; R20.1@809.22,183.27 cw(c760.61,221.18) 760.61,159.54 ; R20.1 806.09,159.54 760.61,159.54
T_RXD: R16.1 R23.2 U2.13 | length 810.1
  Top Layer w10: v1@469.49,-4.42 ccw(c456.6,8.47) 474.83,8.47 ; v1(474.44,-9.37) 479.23,-9.37 474.83,-4.98 474.83,75.12 519.53,119.81 U2.13 552.39,158.01 560.16,165.78 ; 474.83,6.58 ccw(c490.4,6.58) v1@479.39,-4.42 ; R23.2@550.36,187.69 cw(c530.75,165.78) 560.16,165.78 ; R23.2 560.16,165.78 ; R23.2@569.95,187.69 ccw(c589.57,165.78) 560.16,165.78
  Bottom Layer w10: v1(474.44,-9.37) 476.76,-7.05 769.99,-7.05 814.76,-51.82 819.16,-51.82 R16.1 ; v1@479.39,-14.32 cw(c496.94,-31.87) 496.94,-7.05 ; 782.73,-19.79 ccw(c820.76,18.24) R16.1@820.76,-35.54 ; 799.8,-36.86 ccw(c820.76,-15.9) R16.1@820.76,-45.54 ; 801.06,-38.12 cw(c788.95,-50.22) R16.1@806.07,-50.22
T_SWDIO_IN: R11.2 U2.25 | length 322.2
  Top Layer w10: U2.25 196.36,106.83 186.11,117.09 186.11,219.32 196.47,229.68 297.76,229.68 301.95,233.88 R11.2
T_SWO: R19.1 U2.31 | length 926
  Top Layer w10: U2.31 290.25,-11.28 310.73,-31.76 424.53,-31.76 447.2,-54.43 v1(447.2,-65.68) ; U2.31@281.34,-12.19 cw(c281.34,-35.88) 298.1,-19.12
  Bottom Layer w10: v1(447.2,-65.68) 446.94,-65.42 446.94,7.09 460.63,20.78 805.86,20.78 R19.1 ; 749.61,20.78 cw(c749.61,-64.89) R19.1@810.18,-4.31 ; 773.75,20.78 cw(c773.75,-40.75) R19.1@817.26,2.76 ; 797.89,20.78 cw(c797.89,-16.61) R19.1@824.33,9.83 ; v1@442.25,-60.73 ccw(c430.91,-49.39) 446.94,-49.39 ; v1@442.25,-60.73 ccw(c430.91,-49.39) 446.94,-49.39 ; v1@442.25,-60.73 ccw(c430.91,-49.39) 446.94,-49.39 ; 446.94,-48.17 ccw(c464.71,-48.17) v1@452.15,-60.73 ; 446.94,-48.17 ccw(c464.71,-48.17) v1@452.15,-60.73 ; 446.94,-48.17 ccw(c464.71,-48.17) v1@452.15,-60.73
T_TXD: R17.1 U2.12 | length 713.1
  Top Layer w10: v1@491.95,-31.27 ccw(c473.82,-13.14) 499.45,-13.14 ; v1(496.9,-36.22) 496.9,-29.81 497.81,-30.73 v1@497.81,-33.39 ; U2.12 533.12,106.83 499.45,73.16 499.45,-31.75 v1@497.81,-33.39 ; v1@497.81,-33.39 497.81,-33.62 497.7,-33.51 v1@497.81,-33.39
  Bottom Layer w10: v1(496.9,-36.22) 498.15,-34.97 742.19,-34.97 798.43,-91.2 ; v1@501.85,-41.17 cw(c516.81,-56.13) 516.81,-34.97 ; v1@501.85,-31.27 ccw(c510.78,-22.33) 510.78,-34.97 ; 783.48,-76.25 ccw(c820.76,-38.97) R17.1@820.76,-91.69 ; 800.55,-93.32 ccw(c820.76,-73.11) R17.1@820.76,-101.69 ; R17.1@813.79,-93.45 cw(c807.62,-82.02) 798.43,-91.2 ; R17.1 805.58,-91.2 798.43,-91.2 ; 800.75,-93.52 cw(c787.89,-106.38) 806.07,-106.38 ccw(c787.89,-106.38) 800.75,-93.52
TXD0: U2.21
USB_N: J1.2 R8.1 | length 395.6
  Bottom Layer w10: J1.2@83.18,-63.49 cw(c75.33,-80.64) 94.19,-80.64 ; J1.2 94.19,-80.64 ; J1.2@105.21,-63.49 ccw(c113.05,-80.64) 94.19,-80.64 ; 185.25,-86.56 ccw(c185.25,-2.24) R8.1@244.88,-61.86 ; 209.39,-86.56 ccw(c209.39,-26.38) R8.1@251.95,-68.93 ; 233.53,-86.56 ccw(c233.53,-50.52) R8.1@259.02,-76 ; R8.1 240.95,-86.56 100.11,-86.56 94.19,-80.64
USB_P: J1.3 R6.2 R9.1 | length 476.1
  Bottom Layer w10: J1.3@84.72,64.1 ccw(c79.46,77.86) 94.19,77.86 ; J1.3 94.19,77.86 ; J1.3@103.66,64.1 cw(c108.92,77.86) 94.19,77.86 ; R9.1@244.38,121.43 ccw(c219.32,146.5) 254.77,146.5 ccw(c290.22,146.5) R9.1@265.15,121.43 ; R6.2@244.61,173.34 cw(c220.08,148.81) 254.77,148.81 ; R9.1@247.71,98.17 cw(c241.19,86.26) 254.77,86.26 ; 254.77,147.73 cw(c290.98,147.73) R6.2@265.37,173.34 ; R6.2 254.77,183.5 R9.1 254.77,86.26 ; R9.1@261.82,98.17 ccw(c268.34,86.26) 254.77,86.26 ; 94.19,77.86 98.78,82.45 250.96,82.45 254.77,86.26
USB_RENM: R3.2 U2.38 | length 483.4
  Top Layer w10: U2.38@322.68,-145.62 322.68,-89.39 v1@331.99,-80.08 ; 322.68,-113.84 cw(c361.07,-113.84) v1@333.92,-86.7
  Bottom Layer w10: R3.2@301.62,173.34 cw(c286.23,157.96) 307.99,157.96 ; 307.99,138.58 cw(c357.14,138.58) R3.2@322.38,173.34 ; 307.99,162.72 cw(c333,162.72) R3.2@315.31,180.41 ; R3.2@311.46,188.12 307.99,184.64 307.99,-60.15 327.91,-80.08 v1@331.99,-80.08 ; 316.59,-68.76 cw(c303.61,-81.75) v1@321.97,-81.75 ; 318.06,-70.23 ccw(c328.97,-59.32) v1@328.97,-74.75
  other v1: 328.97,-81.75
VBUS: F1.1 J1.1 | length 278.7
  Bottom Layer w20: J1.1@78.99,-153.02 cw(c42.3,-189.71) 94.19,-189.71 cw(c146.09,-189.71) J1.1@109.39,-153.02 ; J1.1 94.19,-194.13 103.22,-203.15 F1.1@172.22,-203.15 ; 133.63,-203.15 cw(c133.63,-241.07) F1.1@160.44,-214.26 ; 134.01,-203.15 ccw(c134.01,-165.79) F1.1@160.44,-192.21
pads on no net: U2.4 U2.11 U2.14 U2.19 U2.22 U2.29 U2.40 U2.41 U2.42 U2.43 U2.45 U2.46
copper on no net:
  other v2: 442.45,-473.89

## Polygon pours and split planes (outlines as drawn)
GND on Bottom Layer "Bottom Layer-GND" (solid, remove dead copper, pour order 5): -97.53,266.64 20.59,266.64 20.59,295.28 1083.58,295.28 1083.58,-295.27 20.59,-295.27 20.59,-266.59 -97.53,-266.59
GND on Top Layer "Bottom Layer-GND" (solid, remove dead copper, pour order 9): -97.53,266.64 20.59,266.64 20.59,295.28 1083.58,295.28 1083.58,-295.27 20.59,-295.27 20.59,-266.59 -97.53,-266.59

## Keep-outs
Keep-Out Layer:
  circle w3.94: c-0.14,-89.01 r19.68
  lines w1.97: -97.53,-266.59 -97.53,-246.18 -97.53,231.39 -97.53,245.01 -97.53,266.64 20.59,266.64 20.59,295.28 1083.58,295.28 1083.58,-295.27 20.59,-295.27 20.59,-266.59 -97.53,-266.59
  lines w3.94: 19.34,89.54 ccw(c-0.33,88.81) 19.36,88.81

## Silkscreen, mask and mechanical layers (free items; w line width, h text height)
Top Overlay:
  lines w3.94: -94.93,-440.23 -94.93,-424.48 ; -55.56,-445.48 -94.93,-432.35 ; -55.56,-419.23 -94.93,-432.35 ; 297.15,-432.35 -94.93,-432.35 ; 694.09,-432.35 1086.17,-432.35 ; 1046.8,-445.48 1086.17,-432.35 ; 1046.8,-419.23 1086.17,-432.35 ; 1086.17,-440.23 1086.17,-424.48 ; 1511.49,-254.69 1524.61,-294.06 ; 1511.49,257.12 1524.61,296.49 ; 1516.74,-294.06 1532.49,-294.06 ; 1516.74,296.49 1532.49,296.49 ; 1524.61,-193.88 1524.61,-294.06 ; 1524.61,196.31 1524.61,296.49 ; 1537.74,-254.69 1524.61,-294.06 ; 1537.74,257.12 1524.61,296.49
  text "Haven" at 64.22,250.49 h31.5
  text "RST" at 957.39,140.44 h31.5
  text "SWO" at 960.28,39.26 h31.5
  text "3V3" at 959.32,-60.47 h31.5
  text "5V" at 961.25,-161.65 h31.5
  text "590.551 (mil)" at 1558.54,-183.88 h39.37 r90
  text "3V3" at 264.64,-233.72 h23.62 r90
  text "DIO" at 164.39,-234.94 h23.62 r90
  text "CLK" at 214.31,-235.35 h23.62 r90
  text "GND" at 112.02,-236.57 h23.62 r90
  text "MOSI" at 960.27,-263.92 h31.5
  text "1181.102 (mil)" at 307.15,-466.28 h39.37
Bottom Overlay:
  text "ST-LINK-OB_V2.2" at -37.31,199.29 h31.5 r90
  text "CLK" at 1032.87,140.59 h31.5
  text "DIO" at 1032.4,38.94 h31.5
  text "GND" at 1032.87,-60.82 h31.5
  text "RXD" at 1032.87,-160.57 h31.5
  text "TXD" at 1032.87,-262.22 h31.5

## Text inside footprints (layer, text, board x,y; h text height)
J1: Top Overlay "D+" at -29.65,26.81 h31.5; Top Overlay "V+" at -29.72,-153.58 h31.5; Top Overlay "V-" at -31,125.48 h31.5; Top Overlay "D-" at -30.33,-53.09 h31.5